# Altium PCB HSADDAModule.PcbDoc (part 2 of 5)
Units mm, origin at the board's own origin, x right, y up, seen from the top; angles counter-clockwise.
Board outline 70 x 95 mm, 6 copper layers (L1 (Sig), L2 (GND), L3 (Sig), L4 (GND), L5 (PWR), L6 (Sig)), stack 1.538 mm thick; 134 components, 217 nets, 999 pads, 792 vias.
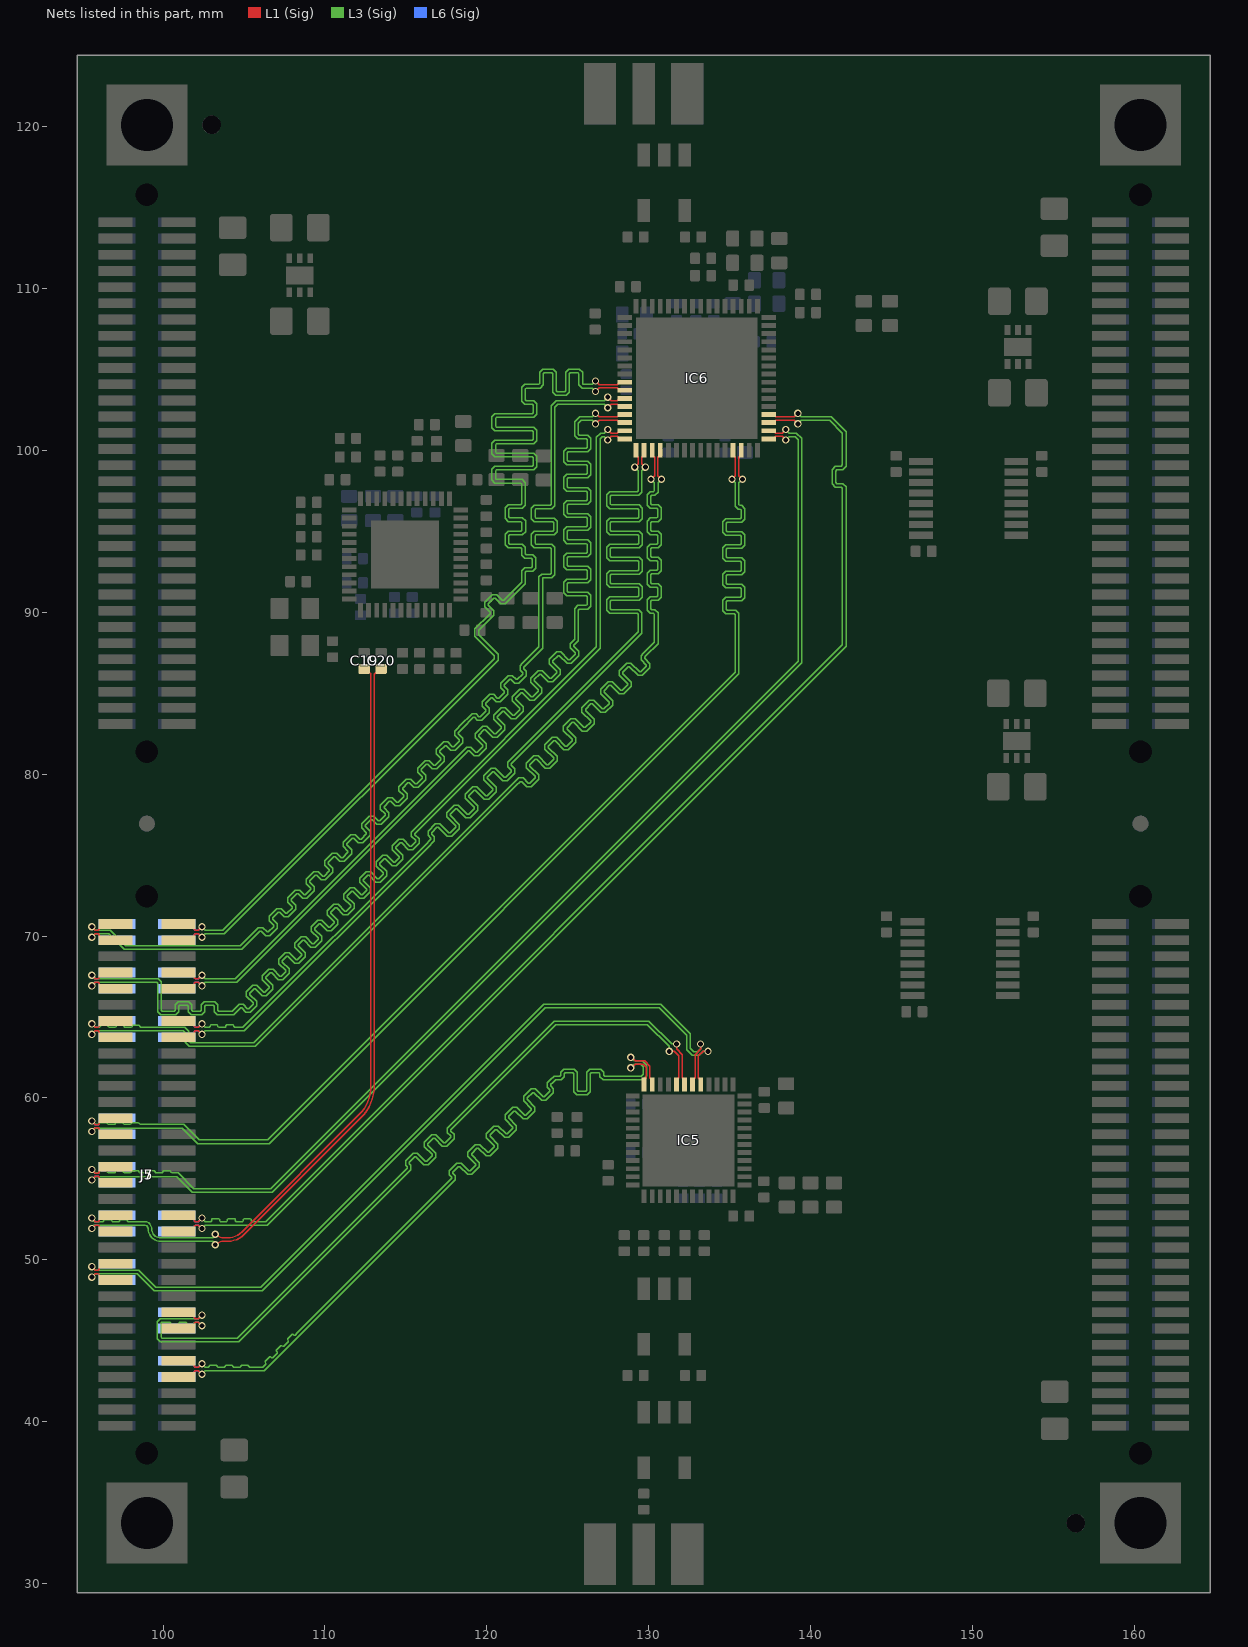
[diagram p6: the nets of this part, all layers, seen from the top]

## Via types
v1: diameter 0.45, hole 0.3, L1 (Sig) to L6 (Sig), tented both sides, 395 vias
v2: diameter 0.5, hole 0.3, L1 (Sig) to L6 (Sig), tented both sides, 219 vias
v3: diameter 0.8, hole 0.4, L1 (Sig) to L6 (Sig), tented both sides, 178 vias

## Nets (pads, with @x,y where several pads share a name; then routed paths per layer and width w, separated by ;. In a path a pad name is that pad's centre, name@x,y a point inside that pad or via, vN(x,y) a via of type N, cw(c..) or ccw(c..) an arc to the next point about the centre after c; other vN are vias at no path point) (continued)
B33_IO_L4_N: IC5.43 J5.51 J7.51 | length 53.8
  L1 (Sig) w0.09: J7.51@100.95,45.75 101.687,45.75 101.942,46.005 101.942,46.092 101.995,46.145 102.18,46.145 v1(102.4,45.925) ; v1(131.735,63.335) 131.735,63.023 132.08,62.678 132.08,61.245 132.225,61.1 IC5.43@132.225,60.825
  L3 (Sig) w0.09: v1(102.4,45.925) 102.395,45.925 102.18,46.14 102.127,46.14 101.994,46.14 101.942,46.087 101.942,46.042 101.893,45.993 101.501,45.993 101.452,46.042 101.452,46.091 101.403,46.14 101.011,46.14 100.962,46.091 100.962,46.042 100.913,45.993 100.521,45.993 100.472,46.042 100.472,46.087 100.419,46.14 99.928,46.14 99.884,46.096 99.875,46.087 99.875,45.203 99.928,45.15 104.589,45.15 115.019,55.581 115.097,55.658 115.097,55.741 114.992,55.847 114.992,56.112 115.454,56.575 115.72,56.575 116.208,56.087 116.291,56.087 116.625,56.421 116.625,56.504 116.137,56.992 116.137,57.258 116.6,57.72 116.866,57.72 117.353,57.233 117.437,57.233 117.77,57.566 117.77,57.65 117.562,57.858 117.562,58.124 117.773,58.334 124.184,64.745 130.02,64.745 131.427,63.338 131.731,63.338 v1(131.735,63.335)
  L6 (Sig) w0.09: J5.51@100.85,45.75 101.687,45.75 101.942,46.005 101.942,46.092 101.995,46.145 102.18,46.145 v1(102.4,45.925)
B33_IO_L4_P: IC5.44 J5.49 J7.49 | length 53.8
  L1 (Sig) w0.09: J7.49@100.95,46.75 101.687,46.75 101.942,46.495 101.942,46.408 101.995,46.355 102.18,46.355 v1(102.4,46.575) ; v1(131.275,62.875) 131.586,62.875 131.87,62.591 131.87,61.245 131.725,61.1 IC5.44@131.725,60.825
  L3 (Sig) w0.09: v1(102.4,46.575) 102.395,46.575 102.18,46.36 99.837,46.36 99.655,46.178 99.655,45.112 99.837,44.93 104.68,44.93 115.175,55.425 115.317,55.567 115.317,55.833 115.212,55.938 115.212,56.021 115.545,56.355 115.629,56.355 116.117,55.867 116.382,55.867 116.845,56.33 116.845,56.595 116.357,57.083 116.357,57.167 116.691,57.5 116.774,57.5 117.262,57.013 117.528,57.013 117.99,57.475 117.99,57.741 117.782,57.949 117.782,58.032 117.929,58.179 124.275,64.525 129.929,64.525 131.272,63.182 131.272,62.878 v1(131.275,62.875)
  L6 (Sig) w0.09: J5.49@100.85,46.75 101.687,46.75 101.942,46.495 101.942,46.408 101.995,46.355 102.18,46.355 v1(102.4,46.575)
B33_IO_L5_N: IC5.47 J5.57 J7.57 | length 53.8
  L1 (Sig) w0.09: J7.57@100.95,42.75 101.687,42.75 101.942,43.005 101.942,43.092 101.995,43.145 102.18,43.145 v1(102.4,42.925) ; v1(128.9,62.505) 128.969,62.505 129.189,62.285 129.762,62.285 130.08,61.967 130.08,61.245 130.225,61.1 IC5.47@130.225,60.825
  L3 (Sig) w0.09: v1(102.4,42.925) 102.405,42.925 102.62,43.14 106.265,43.14 117.912,54.787 118.054,54.929 118.054,55.195 117.915,55.334 117.915,55.418 118.248,55.752 118.332,55.752 118.813,55.27 119.079,55.27 119.541,55.733 119.541,55.999 119.06,56.48 119.06,56.563 119.394,56.897 119.477,56.897 119.958,56.416 120.224,56.416 120.687,56.879 120.687,57.144 120.206,57.625 120.206,57.709 120.539,58.043 120.623,58.043 121.104,57.561 121.37,57.561 121.832,58.024 121.832,58.29 121.351,58.771 121.351,58.854 121.685,59.188 121.768,59.188 122.249,58.707 122.515,58.707 122.978,59.17 122.978,59.435 122.497,59.916 122.497,60 122.83,60.334 122.914,60.334 123.395,59.852 123.661,59.852 124.123,60.315 124.123,60.581 123.956,60.748 123.956,60.831 124.077,60.952 124.255,61.13 124.4,61.13 124.601,61.13 124.788,61.318 124.788,61.483 124.847,61.542 125.319,61.542 125.378,61.483 125.378,60.378 125.566,60.19 126.221,60.19 126.408,60.378 126.408,61.483 126.467,61.542 126.939,61.542 126.998,61.483 126.998,61.318 127.186,61.13 127.663,61.13 129.641,61.13 129.895,61.384 129.895,62.016 129.621,62.29 129.12,62.29 128.905,62.505 v1(128.9,62.505)
  L6 (Sig) w0.09: J5.57@100.85,42.75 101.687,42.75 101.942,43.005 101.942,43.092 101.995,43.145 102.18,43.145 v1(102.4,42.925)
B33_IO_L5_P: IC5.48 J5.55 J7.55 | length 53.7
  L1 (Sig) w0.09: J7.55@100.95,43.75 101.687,43.75 101.942,43.495 101.942,43.408 101.995,43.355 102.18,43.355 v1(102.4,43.575) ; v1(128.9,61.855) 128.969,61.855 129.189,62.075 129.675,62.075 129.87,61.88 129.87,61.245 129.725,61.1 IC5.48@129.725,60.825
  L3 (Sig) w0.09: v1(102.4,43.575) 102.405,43.575 102.62,43.36 102.75,43.36 102.795,43.36 102.848,43.413 102.848,43.432 102.897,43.481 103.289,43.481 103.338,43.432 103.338,43.409 103.387,43.36 103.779,43.36 103.828,43.409 103.828,43.432 103.877,43.481 104.269,43.481 104.318,43.432 104.318,43.409 104.367,43.36 104.759,43.36 104.808,43.409 104.808,43.432 104.857,43.481 105.249,43.481 105.298,43.432 105.298,43.413 105.35,43.36 105.628,43.36 106.174,43.36 106.319,43.506 106.351,43.537 106.351,43.612 106.308,43.655 106.308,43.725 106.585,44.002 106.654,44.002 106.7,43.956 106.77,43.956 107.047,44.233 107.047,44.302 107.001,44.348 107.001,44.418 107.278,44.695 107.347,44.695 107.393,44.649 107.463,44.649 107.74,44.926 107.74,44.995 107.694,45.041 107.694,45.111 107.971,45.388 108.04,45.388 108.084,45.344 108.158,45.344 108.302,45.488 117.757,54.943 117.834,55.02 117.834,55.104 117.695,55.243 117.695,55.509 118.157,55.972 118.423,55.972 118.904,55.49 118.987,55.49 119.321,55.824 119.321,55.908 118.84,56.389 118.84,56.654 119.303,57.117 119.568,57.117 120.049,56.636 120.133,56.636 120.467,56.97 120.467,57.053 119.986,57.534 119.986,57.8 120.448,58.263 120.714,58.263 121.195,57.781 121.278,57.781 121.612,58.115 121.612,58.199 121.131,58.68 121.131,58.945 121.594,59.408 121.859,59.408 122.34,58.927 122.424,58.927 122.758,59.261 122.758,59.344 122.277,59.825 122.277,60.091 122.739,60.554 123.005,60.554 123.486,60.072 123.569,60.072 123.903,60.406 123.903,60.49 123.736,60.657 123.736,60.922 123.921,61.107 124.164,61.35 124.4,61.35 124.509,61.35 124.568,61.409 124.568,61.574 124.756,61.762 125.411,61.762 125.598,61.574 125.598,60.469 125.657,60.41 126.129,60.41 126.188,60.469 126.188,61.574 126.376,61.762 127.031,61.762 127.218,61.574 127.218,61.409 127.277,61.35 127.663,61.35 129.55,61.35 129.675,61.475 129.675,61.925 129.53,62.07 129.12,62.07 128.905,61.855 v1(128.9,61.855)
  L6 (Sig) w0.09: J5.55@100.85,43.75 101.687,43.75 101.942,43.495 101.942,43.408 101.995,43.355 102.18,43.355 v1(102.4,43.575)
B33_IO_L6_N: IC6.36 J5.39 J7.39 | length 77.9
  L1 (Sig) w0.09: J7.39@100.95,51.75 101.687,51.75 101.942,52.005 101.942,52.092 101.995,52.145 102.18,52.145 v1(102.4,51.925) ; IC6.36@137.425,102.225 137.725,102.225 137.87,102.08 138.307,102.08 139.005,102.08 v1(139.225,102.3)
  L3 (Sig) w0.09: v1(102.4,51.925) 102.405,51.925 102.62,52.14 106.44,52.14 142.2,87.9 142.2,97.55 142.2,97.751 141.986,97.965 141.64,97.965 141.555,98.05 141.555,98.731 141.64,98.817 141.986,98.817 142.2,99.031 142.2,99.419 142.2,101.175 141.29,102.085 139.445,102.085 139.23,102.3 v1(139.225,102.3)
  L6 (Sig) w0.09: J5.39@100.85,51.75 101.687,51.75 101.942,52.005 101.942,52.092 101.995,52.145 102.18,52.145 v1(102.4,51.925)
B33_IO_L6_P: IC6.35 J5.37 J7.37 | length 77.9
  L1 (Sig) w0.09: J7.37@100.95,52.75 101.687,52.75 101.942,52.495 101.942,52.408 101.995,52.355 102.18,52.355 v1(102.4,52.575) ; IC6.35@137.425,101.725 137.725,101.725 137.87,101.87 138.22,101.87 139.005,101.87 v1(139.225,101.65)
  L3 (Sig) w0.09: v1(102.4,52.575) 102.405,52.575 102.62,52.36 102.902,52.36 102.947,52.36 103,52.413 103,52.487 103.049,52.536 103.441,52.536 103.49,52.487 103.49,52.409 103.539,52.36 103.931,52.36 103.98,52.409 103.98,52.487 104.029,52.536 104.421,52.536 104.47,52.487 104.47,52.409 104.519,52.36 104.911,52.36 104.96,52.409 104.96,52.487 105.009,52.536 105.401,52.536 105.45,52.487 105.45,52.413 105.503,52.36 105.857,52.36 106.349,52.36 141.98,87.991 141.98,97.55 141.98,97.659 141.895,97.745 141.549,97.745 141.335,97.959 141.335,98.823 141.549,99.037 141.895,99.037 141.98,99.122 141.98,99.419 141.98,101.084 141.199,101.865 139.445,101.865 139.23,101.65 v1(139.225,101.65)
  L6 (Sig) w0.09: J5.37@100.85,52.75 101.687,52.75 101.942,52.495 101.942,52.408 101.995,52.355 102.18,52.355 v1(102.4,52.575)
B34_IO_L3_N: IC6.10 J5.3 J7.3 | length 77.9
  L1 (Sig) w0.09: J7.3@100.95,69.75 101.687,69.75 101.942,70.005 101.942,70.092 101.995,70.145 102.18,70.145 v1(102.4,69.925) ; v1(126.725,103.65) 126.945,103.87 127.643,103.87 128.08,103.87 128.225,103.725 IC6.10@128.525,103.725
  L3 (Sig) w0.09: v1(102.4,69.925) 102.405,69.925 102.62,70.14 103.79,70.14 120.7,87.05 120.7,87.421 119.495,88.626 119.495,88.884 120.306,89.694 120.447,89.836 120.447,90.102 120.099,90.45 120.099,90.534 120.433,90.868 120.516,90.868 120.865,90.519 121.13,90.519 121.668,91.057 122.375,91.764 122.375,92.114 122.375,92.472 122.434,92.531 122.834,92.531 123.022,92.719 123.022,93.373 122.834,93.561 122.434,93.561 122.375,93.62 122.375,93.73 122.375,93.744 122.375,94.029 122.187,94.217 121.43,94.217 121.371,94.276 121.371,94.748 121.43,94.807 122.208,94.807 122.396,94.994 122.396,95.649 122.208,95.837 121.43,95.837 121.371,95.896 121.371,96.368 121.43,96.427 122.187,96.427 122.375,96.614 122.375,97.625 122.375,97.825 122.375,98.026 122.187,98.213 120.602,98.213 120.543,98.272 120.543,98.744 120.602,98.803 122.893,98.803 123.081,98.991 123.081,99.646 122.893,99.833 120.602,99.833 120.543,99.892 120.543,100.364 120.602,100.423 122.893,100.423 123.081,100.611 123.081,101.266 122.893,101.453 120.602,101.453 120.543,101.512 120.543,101.984 120.602,102.043 122.893,102.043 123.081,102.231 123.081,102.886 122.893,103.073 122.434,103.073 122.375,103.132 122.375,103.45 122.375,103.812 122.428,103.865 123.101,103.865 123.302,103.865 123.489,104.053 123.489,104.756 123.548,104.815 124.02,104.815 124.079,104.756 124.079,103.592 124.267,103.404 124.922,103.404 125.109,103.592 125.109,104.756 125.168,104.815 125.64,104.815 125.699,104.756 125.699,104.053 125.887,103.865 126.436,103.865 126.505,103.865 126.72,103.65 v1(126.725,103.65)
  L6 (Sig) w0.09: J5.3@100.85,69.75 101.687,69.75 101.942,70.005 101.942,70.092 101.995,70.145 102.18,70.145 v1(102.4,69.925)
B34_IO_L3_P: IC6.9 J5.1 J7.1 | length 77.9
  L1 (Sig) w0.09: J7.1@100.95,70.75 101.687,70.75 101.942,70.495 101.942,70.408 101.995,70.355 102.18,70.355 v1(102.4,70.575) ; v1(126.725,104.3) 126.945,104.08 127.73,104.08 128.08,104.08 128.225,104.225 IC6.9@128.525,104.225
  L3 (Sig) w0.09: v1(102.4,70.575) 102.405,70.575 102.62,70.36 103.699,70.36 120.48,87.141 120.48,87.33 119.275,88.535 119.275,88.975 120.15,89.85 120.227,89.927 120.227,90.011 119.879,90.359 119.879,90.625 120.342,91.088 120.607,91.088 120.956,90.739 121.039,90.739 121.512,91.212 122.155,91.855 122.155,92.114 122.155,92.563 122.343,92.751 122.743,92.751 122.802,92.81 122.802,93.282 122.743,93.341 122.343,93.341 122.155,93.529 122.155,93.73 122.155,93.744 122.155,93.938 122.096,93.997 121.339,93.997 121.151,94.184 121.151,94.839 121.339,95.027 122.117,95.027 122.176,95.086 122.176,95.558 122.117,95.617 121.339,95.617 121.151,95.804 121.151,96.459 121.339,96.647 122.096,96.647 122.155,96.706 122.155,97.625 122.155,97.825 122.155,97.934 122.096,97.993 120.511,97.993 120.323,98.181 120.323,98.836 120.511,99.023 122.802,99.023 122.861,99.082 122.861,99.554 122.802,99.613 120.511,99.613 120.323,99.801 120.323,100.456 120.511,100.643 122.802,100.643 122.861,100.702 122.861,101.174 122.802,101.233 120.511,101.233 120.323,101.421 120.323,102.076 120.511,102.263 122.802,102.263 122.861,102.322 122.861,102.794 122.802,102.853 122.343,102.853 122.155,103.041 122.155,103.45 122.155,103.903 122.337,104.085 123.101,104.085 123.21,104.085 123.269,104.144 123.269,104.847 123.457,105.035 124.112,105.035 124.299,104.847 124.299,103.683 124.358,103.624 124.83,103.624 124.889,103.683 124.889,104.847 125.077,105.035 125.732,105.035 125.919,104.847 125.919,104.144 125.978,104.085 126.436,104.085 126.505,104.085 126.72,104.3 v1(126.725,104.3)
  L6 (Sig) w0.09: J5.1@100.85,70.75 101.687,70.75 101.942,70.495 101.942,70.408 101.995,70.355 102.18,70.355 v1(102.4,70.575)
B34_IO_L7_N: IC6.20 J5.16 J7.16 | length 77.9
  L1 (Sig) w0.09: v1(95.6,63.925) 95.82,64.145 96.005,64.145 96.058,64.092 96.058,64.005 96.313,63.75 J7.16@97.05,63.75 ; IC6.20@130.725,100.025 130.725,99.725 130.58,99.58 130.58,99.143 130.58,98.445 v1(130.8,98.225)
  L3 (Sig) w0.09: v1(95.6,63.925) 95.605,63.925 95.82,64.14 101.249,64.14 101.375,64.014 101.375,63.425 101.62,63.18 105.705,63.18 121.83,79.305 122.075,79.55 122.159,79.55 122.476,79.233 122.742,79.233 123.204,79.696 123.204,79.961 122.67,80.495 122.67,80.579 123.004,80.913 123.087,80.913 123.622,80.378 123.887,80.378 124.35,80.841 124.35,81.107 123.816,81.641 123.816,81.724 124.15,82.058 124.233,82.058 124.767,81.524 125.033,81.524 125.495,81.987 125.495,82.252 124.961,82.786 124.961,82.87 125.295,83.204 125.378,83.204 125.913,82.669 126.178,82.669 126.641,83.132 126.641,83.398 126.107,83.932 126.107,84.015 126.441,84.349 126.524,84.349 127.058,83.815 127.324,83.815 127.786,84.278 127.786,84.543 127.252,85.077 127.252,85.161 127.586,85.495 127.669,85.495 128.204,84.96 128.469,84.96 128.932,85.423 128.932,85.689 128.398,86.223 128.398,86.306 128.732,86.64 128.815,86.64 129.349,86.106 129.615,86.106 130.077,86.569 130.077,86.834 129.76,87.152 129.76,87.235 129.837,87.312 130.585,88.06 130.585,89.775 130.585,89.976 130.397,90.163 130.198,90.163 130.139,90.222 130.139,90.694 130.198,90.753 130.594,90.753 130.782,90.941 130.782,91.596 130.594,91.783 130.198,91.783 130.139,91.842 130.139,92.314 130.198,92.373 130.594,92.373 130.782,92.561 130.782,93.216 130.594,93.403 130.198,93.403 130.139,93.462 130.139,93.934 130.198,93.993 130.594,93.993 130.782,94.181 130.782,94.836 130.594,95.023 130.198,95.023 130.139,95.082 130.139,95.554 130.198,95.613 130.594,95.613 130.782,95.801 130.782,96.456 130.594,96.643 130.198,96.643 130.139,96.702 130.139,97.174 130.198,97.233 130.397,97.233 130.585,97.421 130.585,97.77 130.585,98.005 130.8,98.22 v1(130.8,98.225)
  L6 (Sig) w0.09: v1(95.6,63.925) 95.605,63.925 95.825,64.145 96.005,64.145 96.058,64.092 96.058,64.005 96.313,63.75 J5.16@97.15,63.75
B34_IO_L7_P: IC6.19 J5.14 J7.14 | length 77.9
  L1 (Sig) w0.09: v1(95.6,64.575) 95.82,64.355 96.005,64.355 96.058,64.408 96.058,64.495 96.313,64.75 J7.14@97.05,64.75 ; v1(130.15,98.225) 130.37,98.445 130.37,99.23 130.37,99.58 130.225,99.725 IC6.19@130.225,100.025
  L3 (Sig) w0.09: v1(95.6,64.575) 95.605,64.575 95.82,64.36 96.025,64.36 96.07,64.36 96.123,64.413 96.123,64.431 96.172,64.48 96.564,64.48 96.613,64.431 96.613,64.409 96.662,64.36 97.054,64.36 97.103,64.409 97.103,64.431 97.152,64.48 97.544,64.48 97.593,64.431 97.593,64.409 97.642,64.36 98.034,64.36 98.083,64.409 98.083,64.431 98.132,64.48 98.524,64.48 98.573,64.431 98.573,64.413 98.625,64.36 99.341,64.36 101.34,64.36 101.595,64.105 101.595,63.516 101.711,63.4 105.614,63.4 121.675,79.461 121.984,79.77 122.25,79.77 122.567,79.453 122.651,79.453 122.984,79.787 122.984,79.87 122.45,80.404 122.45,80.67 122.913,81.133 123.179,81.133 123.713,80.598 123.796,80.598 124.13,80.932 124.13,81.016 123.596,81.55 123.596,81.815 124.058,82.278 124.324,82.278 124.858,81.744 124.942,81.744 125.275,82.078 125.275,82.161 124.741,82.695 124.741,82.961 125.204,83.424 125.47,83.424 126.004,82.889 126.087,82.889 126.421,83.223 126.421,83.307 125.887,83.841 125.887,84.107 126.349,84.569 126.615,84.569 127.149,84.035 127.233,84.035 127.566,84.369 127.566,84.452 127.032,84.986 127.032,85.252 127.495,85.715 127.761,85.715 128.295,85.18 128.378,85.18 128.712,85.514 128.712,85.598 128.178,86.132 128.178,86.398 128.64,86.86 128.906,86.86 129.44,86.326 129.524,86.326 129.857,86.66 129.857,86.743 129.54,87.061 129.54,87.326 129.682,87.468 130.365,88.151 130.365,89.775 130.365,89.884 130.306,89.943 130.107,89.943 129.919,90.131 129.919,90.786 130.107,90.973 130.503,90.973 130.562,91.032 130.562,91.504 130.503,91.563 130.107,91.563 129.919,91.751 129.919,92.406 130.107,92.593 130.503,92.593 130.562,92.652 130.562,93.124 130.503,93.183 130.107,93.183 129.919,93.371 129.919,94.026 130.107,94.213 130.503,94.213 130.562,94.272 130.562,94.744 130.503,94.803 130.107,94.803 129.919,94.991 129.919,95.646 130.107,95.833 130.503,95.833 130.562,95.892 130.562,96.364 130.503,96.423 130.107,96.423 129.919,96.611 129.919,97.266 130.107,97.453 130.306,97.453 130.365,97.512 130.365,97.77 130.365,98.005 130.15,98.22 v1(130.15,98.225)
  L6 (Sig) w0.09: v1(95.6,64.575) 95.605,64.575 95.825,64.355 96.005,64.355 96.058,64.408 96.058,64.495 96.313,64.75 J5.14@97.15,64.75
B34_IO_L8_N: IC6.34 J5.34 J7.34 | length 77.8
  L1 (Sig) w0.09: v1(95.6,54.925) 95.82,55.145 96.005,55.145 96.058,55.092 96.058,55.005 96.313,54.75 J7.34@97.05,54.75 ; IC6.34@137.425,101.225 137.725,101.225 137.87,101.08 138.255,101.08 v1(138.475,101.3)
  L3 (Sig) w0.09: v1(95.6,54.925) 95.605,54.925 95.82,55.14 100.849,55.14 101.809,54.18 106.755,54.18 139.475,86.9 139.475,100.75 139.14,101.085 138.695,101.085 138.48,101.3 v1(138.475,101.3)
  L6 (Sig) w0.09: v1(95.6,54.925) 95.605,54.925 95.825,55.145 96.005,55.145 96.058,55.092 96.058,55.005 96.313,54.75 J5.34@97.15,54.75
B34_IO_L8_P: IC6.33 J5.32 J7.32 | length 77.7
  L1 (Sig) w0.09: v1(95.6,55.575) 95.82,55.355 96.005,55.355 96.058,55.408 96.058,55.495 96.313,55.75 J7.32@97.05,55.75 ; IC6.33@137.425,100.725 137.725,100.725 137.87,100.87 138.255,100.87 v1(138.475,100.65)
  L3 (Sig) w0.09: v1(95.6,55.575) 95.605,55.575 95.82,55.36 95.975,55.36 96.02,55.36 96.073,55.413 96.073,55.435 96.122,55.484 96.514,55.484 96.563,55.435 96.563,55.409 96.612,55.36 97.004,55.36 97.053,55.409 97.053,55.435 97.102,55.484 97.494,55.484 97.543,55.435 97.543,55.409 97.592,55.36 97.984,55.36 98.033,55.409 98.033,55.435 98.082,55.484 98.474,55.484 98.523,55.435 98.523,55.409 98.572,55.36 98.964,55.36 99.013,55.409 99.013,55.435 99.062,55.484 99.454,55.484 99.503,55.435 99.503,55.409 99.552,55.36 99.944,55.36 99.993,55.409 99.993,55.435 100.042,55.484 100.434,55.484 100.483,55.435 100.483,55.413 100.535,55.36 100.63,55.36 100.94,55.36 101.9,54.4 106.664,54.4 139.255,86.991 139.255,100.659 139.049,100.865 138.695,100.865 138.48,100.65 v1(138.475,100.65)
  L6 (Sig) w0.09: v1(95.6,55.575) 95.605,55.575 95.825,55.355 96.005,55.355 96.058,55.408 96.058,55.495 96.313,55.75 J5.32@97.15,55.75
B34_IO_L9_N: IC6.12 J5.4 J7.4 | length 77.8
  L1 (Sig) w0.09: v1(95.6,69.925) 95.82,70.145 96.005,70.145 96.058,70.092 96.058,70.005 96.313,69.75 J7.4@97.05,69.75 ; v1(127.475,102.65) 127.695,102.87 128.08,102.87 128.225,102.725 IC6.12@128.525,102.725
  L3 (Sig) w0.09: v1(95.6,69.925) 95.605,69.925 95.82,70.14 96.649,70.14 97.614,69.175 104.85,69.175 105.33,69.655 105.98,70.305 106.064,70.305 106.335,70.034 106.601,70.034 107.063,70.497 107.063,70.762 106.78,71.046 106.78,71.129 107.114,71.463 107.197,71.463 107.48,71.18 107.746,71.18 108.209,71.642 108.209,71.908 107.925,72.191 107.925,72.274 108.259,72.608 108.343,72.608 108.626,72.325 108.892,72.325 109.354,72.788 109.354,73.053 109.071,73.337 109.071,73.42 109.405,73.754 109.488,73.754 109.771,73.471 110.037,73.471 110.5,73.933 110.5,74.199 110.217,74.482 110.217,74.565 110.55,74.899 110.634,74.899 110.917,74.616 111.183,74.616 111.645,75.079 111.645,75.344 111.362,75.628 111.362,75.711 111.696,76.045 111.779,76.045 112.062,75.762 112.328,75.762 112.791,76.224 112.791,76.49 112.508,76.773 112.508,76.857 112.841,77.19 112.925,77.19 113.208,76.907 113.474,76.907 113.936,77.37 113.936,77.635 113.653,77.919 113.653,78.002 113.987,78.336 114.07,78.336 114.353,78.053 114.619,78.053 115.082,78.515 115.082,78.781 114.799,79.064 114.799,79.148 115.132,79.481 115.216,79.481 115.499,79.198 115.765,79.198 116.227,79.661 116.227,79.926 115.944,80.21 115.944,80.293 116.278,80.627 116.361,80.627 116.644,80.344 116.91,80.344 117.373,80.806 117.373,81.072 117.09,81.355 117.09,81.439 117.423,81.772 117.507,81.772 117.79,81.489 118.056,81.489 118.518,81.952 118.518,82.217 118.247,82.489 118.247,82.572 118.371,82.696 118.503,82.828 119.182,83.507 119.266,83.507 119.428,83.345 119.694,83.345 120.157,83.807 120.157,84.073 119.931,84.298 119.931,84.382 120.265,84.716 120.349,84.716 120.574,84.49 120.84,84.49 121.302,84.953 121.302,85.219 121.077,85.444 121.077,85.527 121.411,85.861 121.494,85.861 121.719,85.636 121.985,85.636 122.448,86.098 122.448,86.364 122.285,86.527 122.285,86.61 122.363,86.687 123.45,87.775 123.45,92.097 123.503,92.15 124.018,92.15 124.2,92.332 124.2,93.816 124.2,94.016 124.012,94.204 123.042,94.204 122.983,94.263 122.983,94.735 123.042,94.794 124.175,94.794 124.363,94.982 124.363,95.636 124.175,95.824 123.042,95.824 122.983,95.883 122.983,96.355 123.042,96.414 124.012,96.414 124.2,96.602 124.2,97.343 124.2,102.689 124.376,102.865 127.255,102.865 127.47,102.65 v1(127.475,102.65)
  L6 (Sig) w0.09: v1(95.6,69.925) 95.605,69.925 95.825,70.145 96.005,70.145 96.058,70.092 96.058,70.005 96.313,69.75 J5.4@97.15,69.75
B34_IO_L9_P: IC6.11 J5.2 J7.2 | length 77.8
  L1 (Sig) w0.09: v1(95.6,70.575) 95.82,70.355 96.005,70.355 96.058,70.408 96.058,70.495 96.313,70.75 J7.2@97.05,70.75 ; v1(127.475,103.3) 127.695,103.08 128.08,103.08 128.225,103.225 IC6.11@128.525,103.225
  L3 (Sig) w0.09: v1(95.6,70.575) 95.605,70.575 95.82,70.36 96.74,70.36 97.705,69.395 104.759,69.395 105.175,69.811 105.889,70.525 106.155,70.525 106.426,70.254 106.509,70.254 106.843,70.588 106.843,70.671 106.56,70.954 106.56,71.22 107.023,71.683 107.288,71.683 107.571,71.4 107.655,71.4 107.989,71.733 107.989,71.817 107.705,72.1 107.705,72.366 108.168,72.828 108.434,72.828 108.717,72.545 108.8,72.545 109.134,72.879 109.134,72.962 108.851,73.245 108.851,73.511 109.314,73.974 109.579,73.974 109.862,73.691 109.946,73.691 110.28,74.024 110.28,74.108 109.997,74.391 109.997,74.657 110.459,75.119 110.725,75.119 111.008,74.836 111.091,74.836 111.425,75.17 111.425,75.253 111.142,75.536 111.142,75.802 111.605,76.265 111.87,76.265 112.154,75.982 112.237,75.982 112.571,76.315 112.571,76.399 112.288,76.682 112.288,76.948 112.75,77.41 113.016,77.41 113.299,77.127 113.382,77.127 113.716,77.461 113.716,77.544 113.433,77.827 113.433,78.093 113.896,78.556 114.161,78.556 114.445,78.273 114.528,78.273 114.862,78.606 114.862,78.69 114.579,78.973 114.579,79.239 115.041,79.701 115.307,79.701 115.59,79.418 115.673,79.418 116.007,79.752 116.007,79.835 115.724,80.118 115.724,80.384 116.187,80.847 116.452,80.847 116.736,80.564 116.819,80.564 117.153,80.897 117.153,80.981 116.87,81.264 116.87,81.53 117.332,81.992 117.598,81.992 117.881,81.709 117.964,81.709 118.298,82.043 118.298,82.126 118.027,82.397 118.027,82.663 118.216,82.852 118.348,82.984 119.091,83.727 119.357,83.727 119.519,83.565 119.603,83.565 119.937,83.898 119.937,83.982 119.711,84.207 119.711,84.473 120.174,84.936 120.44,84.936 120.665,84.71 120.748,84.71 121.082,85.044 121.082,85.127 120.857,85.353 120.857,85.618 121.319,86.081 121.585,86.081 121.811,85.856 121.894,85.856 122.228,86.19 122.228,86.273 122.065,86.436 122.065,86.701 122.207,86.843 123.23,87.866 123.23,92.188 123.412,92.37 123.927,92.37 123.98,92.423 123.98,93.816 123.98,93.925 123.921,93.984 122.951,93.984 122.763,94.172 122.763,94.826 122.951,95.014 124.084,95.014 124.143,95.073 124.143,95.545 124.084,95.604 122.951,95.604 122.763,95.792 122.763,96.446 122.951,96.634 123.921,96.634 123.98,96.693 123.98,97.343 123.98,102.78 124.285,103.085 127.255,103.085 127.47,103.3 v1(127.475,103.3)
  L6 (Sig) w0.09: v1(95.6,70.575) 95.605,70.575 95.825,70.355 96.005,70.355 96.058,70.408 96.058,70.495 96.313,70.75 J5.2@97.15,70.75
B34_IO_L10_N: IC6.16 J5.10 J7.10 | length 77.8
  L1 (Sig) w0.09: v1(95.6,66.925) 95.82,67.145 96.005,67.145 96.058,67.092 96.058,67.005 96.313,66.75 J7.10@97.05,66.75 ; v1(127.475,100.65) 127.695,100.87 128.08,100.87 128.225,100.725 IC6.16@128.525,100.725
  L3 (Sig) w0.09: v1(95.6,66.925) 95.605,66.925 95.82,67.14 99.622,67.14 99.675,67.087 99.675,65.312 99.857,65.13 100.575,65.13 100.776,65.13 100.963,65.318 100.963,65.652 101.022,65.711 101.494,65.711 101.553,65.652 101.553,65.317 101.741,65.129 102.396,65.129 102.583,65.317 102.583,65.652 102.642,65.711 103.114,65.711 103.173,65.652 103.173,65.318 103.361,65.13 104.026,65.13 104.355,65.13 104.388,65.163 104.787,65.562 104.862,65.562 105.123,65.301 105.374,65.301 105.78,65.707 105.78,65.958 105.353,66.386 105.353,66.455 105.631,66.732 105.7,66.732 106.127,66.305 106.379,66.305 106.785,66.711 106.785,66.963 106.357,67.39 106.357,67.459 106.635,67.736 106.704,67.736 107.131,67.309 107.383,67.309 107.789,67.715 107.789,67.967 107.362,68.394 107.362,68.463 107.639,68.74 107.708,68.74 108.135,68.313 108.387,68.313 108.793,68.719 108.793,68.971 108.366,69.398 108.366,69.467 108.643,69.744 108.712,69.744 109.139,69.317 109.391,69.317 109.797,69.723 109.797,69.975 109.37,70.402 109.37,70.471 109.647,70.748 109.716,70.748 110.143,70.321 110.395,70.321 110.801,70.727 110.801,70.979 110.374,71.406 110.374,71.475 110.651,71.753 110.72,71.753 111.147,71.325 111.399,71.325 111.805,71.731 111.805,71.983 111.378,72.41 111.378,72.479 111.655,72.757 111.724,72.757 112.151,72.329 112.403,72.329 112.809,72.736 112.809,72.987 112.382,73.414 112.382,73.483 112.659,73.761 112.728,73.761 113.156,73.334 113.407,73.334 113.813,73.74 113.813,73.991 113.386,74.418 113.386,74.488 113.663,74.765 113.733,74.765 114.16,74.338 114.411,74.338 114.817,74.744 114.817,74.995 114.39,75.422 114.39,75.492 114.667,75.769 114.737,75.769 115.164,75.342 115.415,75.342 115.821,75.748 115.821,75.999 115.56,76.261 115.56,76.335 115.638,76.413 127,87.775 127,100.736 127.129,100.865 127.255,100.865 127.47,100.65 v1(127.475,100.65)
  L6 (Sig) w0.09: v1(95.6,66.925) 95.605,66.925 95.825,67.145 96.005,67.145 96.058,67.092 96.058,67.005 96.313,66.75 J5.10@97.15,66.75
B34_IO_L10_P: IC6.15 J5.8 J7.8 | length 77.8
  L1 (Sig) w0.09: v1(95.6,67.575) 95.82,67.355 96.005,67.355 96.058,67.408 96.058,67.495 96.313,67.75 J7.8@97.05,67.75 ; v1(127.475,101.3) 127.695,101.08 128.08,101.08 128.225,101.225 IC6.15@128.525,101.225
  L3 (Sig) w0.09: v1(95.6,67.575) 95.605,67.575 95.82,67.36 99.713,67.36 99.895,67.178 99.895,65.403 99.948,65.35 100.575,65.35 100.684,65.35 100.743,65.409 100.743,65.743 100.931,65.931 101.586,65.931 101.773,65.743 101.773,65.408 101.832,65.349 102.304,65.349 102.363,65.408 102.363,65.743 102.551,65.931 103.206,65.931 103.393,65.743 103.393,65.409 103.452,65.35 104.026,65.35 104.201,65.35 104.264,65.35 104.696,65.782 104.953,65.782 105.214,65.521 105.283,65.521 105.56,65.798 105.56,65.867 105.133,66.294 105.133,66.546 105.539,66.952 105.791,66.952 106.218,66.525 106.287,66.525 106.565,66.802 106.565,66.871 106.137,67.299 106.137,67.55 106.543,67.956 106.795,67.956 107.222,67.529 107.291,67.529 107.569,67.806 107.569,67.876 107.142,68.303 107.142,68.554 107.548,68.96 107.799,68.96 108.226,68.533 108.296,68.533 108.573,68.81 108.573,68.88 108.146,69.307 108.146,69.558 108.552,69.964 108.803,69.964 109.23,69.537 109.3,69.537 109.577,69.814 109.577,69.884 109.15,70.311 109.15,70.562 109.556,70.968 109.807,70.968 110.234,70.541 110.304,70.541 110.581,70.818 110.581,70.888 110.154,71.315 110.154,71.566 110.56,71.973 110.811,71.973 111.239,71.545 111.308,71.545 111.585,71.823 111.585,71.892 111.158,72.319 111.158,72.571 111.564,72.977 111.815,72.977 112.243,72.549 112.312,72.549 112.589,72.827 112.589,72.896 112.162,73.323 112.162,73.575 112.568,73.981 112.82,73.981 113.247,73.554 113.316,73.554 113.593,73.831 113.593,73.9 113.166,74.327 113.166,74.579 113.572,74.985 113.824,74.985 114.251,74.558 114.32,74.558 114.597,74.835 114.597,74.904 114.17,75.331 114.17,75.583 114.576,75.989 114.828,75.989 115.255,75.562 115.324,75.562 115.601,75.839 115.601,75.908 115.34,76.169 115.34,76.426 115.482,76.568 126.78,87.866 126.78,100.828 127.037,101.085 127.255,101.085 127.47,101.3 v1(127.475,101.3)
  L6 (Sig) w0.09: v1(95.6,67.575) 95.605,67.575 95.825,67.355 96.005,67.355 96.058,67.408 96.058,67.495 96.313,67.75 J5.8@97.15,67.75
B34_IO_L12_N: IC6.14 J5.9 J7.9 | length 77.9
  L1 (Sig) w0.09: J7.9@100.95,66.75 101.687,66.75 101.942,67.005 101.942,67.092 101.995,67.145 102.18,67.145 v1(102.4,66.925) ; v1(126.725,101.65) 126.945,101.87 127.643,101.87 128.08,101.87 128.225,101.725 IC6.14@128.525,101.725
  L3 (Sig) w0.09: v1(102.4,66.925) 102.405,66.925 102.62,67.14 104.54,67.14 117.709,80.309 118.846,81.446 118.929,81.446 119.233,81.142 119.499,81.142 119.962,81.604 119.962,81.87 119.497,82.335 119.497,82.418 119.831,82.752 119.914,82.752 120.379,82.287 120.644,82.287 121.107,82.75 121.107,83.016 120.642,83.48 120.642,83.564 120.976,83.897 121.06,83.897 121.524,83.433 121.79,83.433 122.253,83.895 122.253,84.161 121.788,84.626 121.788,84.709 122.122,85.043 122.205,85.043 122.67,84.578 122.935,84.578 123.398,85.041 123.398,85.307 122.934,85.771 122.934,85.855 123.267,86.188 123.351,86.188 123.815,85.724 124.081,85.724 124.544,86.186 124.544,86.452 124.079,86.917 124.079,87 124.413,87.334 124.496,87.334 124.961,86.869 125.226,86.869 125.689,87.332 125.689,87.598 125.385,87.902 125.385,87.985 125.462,88.063 125.65,88.25 125.65,89.7 125.65,90.148 125.709,90.207 126.24,90.207 126.428,90.394 126.428,91.049 126.24,91.237 125.034,91.237 124.975,91.296 124.975,91.768 125.034,91.827 126.24,91.827 126.428,92.014 126.428,92.669 126.24,92.857 125.034,92.857 124.975,92.916 124.975,93.388 125.034,93.447 126.24,93.447 126.428,93.634 126.428,94.289 126.24,94.477 125.034,94.477 124.975,94.536 124.975,95.008 125.034,95.067 126.24,95.067 126.428,95.254 126.428,95.909 126.24,96.097 125.034,96.097 124.975,96.156 124.975,96.628 125.034,96.687 126.24,96.687 126.428,96.874 126.428,97.529 126.24,97.717 125.034,97.717 124.975,97.776 124.975,98.248 125.034,98.307 126.24,98.307 126.428,98.494 126.428,99.149 126.24,99.337 125.034,99.337 124.975,99.396 124.975,99.868 125.034,99.927 126.24,99.927 126.428,100.114 126.428,100.769 126.24,100.957 125.709,100.957 125.65,101.016 125.65,101.125 125.65,101.689 125.826,101.865 126.505,101.865 126.72,101.65 v1(126.725,101.65)
  L6 (Sig) w0.09: J5.9@100.85,66.75 101.687,66.75 101.942,67.005 101.942,67.092 101.995,67.145 102.18,67.145 v1(102.4,66.925)
B34_IO_L12_P: IC6.13 J5.7 J7.7 | length 77.9
  L1 (Sig) w0.09: J7.7@100.95,67.75 101.687,67.75 101.942,67.495 101.942,67.408 101.995,67.355 102.18,67.355 v1(102.4,67.575) ; v1(126.725,102.3) 126.945,102.08 127.73,102.08 128.08,102.08 128.225,102.225 IC6.13@128.525,102.225
  L3 (Sig) w0.09: v1(102.4,67.575) 102.405,67.575 102.62,67.36 104.449,67.36 117.553,80.464 118.755,81.666 119.02,81.666 119.324,81.362 119.408,81.362 119.742,81.696 119.742,81.779 119.277,82.244 119.277,82.509 119.74,82.972 120.005,82.972 120.47,82.507 120.553,82.507 120.887,82.841 120.887,82.925 120.422,83.389 120.422,83.655 120.885,84.117 121.151,84.117 121.615,83.653 121.699,83.653 122.033,83.987 122.033,84.07 121.568,84.535 121.568,84.8 122.031,85.263 122.296,85.263 122.761,84.798 122.844,84.798 123.178,85.132 123.178,85.216 122.714,85.68 122.714,85.946 123.176,86.408 123.442,86.408 123.906,85.944 123.99,85.944 124.324,86.278 124.324,86.361 123.859,86.826 123.859,87.091 124.322,87.554 124.587,87.554 125.052,87.089 125.135,87.089 125.469,87.423 125.469,87.507 125.165,87.811 125.165,88.076 125.307,88.218 125.43,88.341 125.43,89.7 125.43,90.239 125.618,90.427 126.149,90.427 126.208,90.486 126.208,90.958 126.149,91.017 124.943,91.017 124.755,91.204 124.755,91.859 124.943,92.047 126.149,92.047 126.208,92.106 126.208,92.578 126.149,92.637 124.943,92.637 124.755,92.824 124.755,93.479 124.943,93.667 126.149,93.667 126.208,93.726 126.208,94.198 126.149,94.257 124.943,94.257 124.755,94.444 124.755,95.099 124.943,95.287 126.149,95.287 126.208,95.346 126.208,95.818 126.149,95.877 124.943,95.877 124.755,96.064 124.755,96.719 124.943,96.907 126.149,96.907 126.208,96.966 126.208,97.438 126.149,97.497 124.943,97.497 124.755,97.684 124.755,98.339 124.943,98.527 126.149,98.527 126.208,98.586 126.208,99.058 126.149,99.117 124.943,99.117 124.755,99.304 124.755,99.959 124.943,100.147 126.149,100.147 126.208,100.206 126.208,100.678 126.149,100.737 125.618,100.737 125.43,100.924 125.43,101.125 125.43,101.78 125.735,102.085 126.505,102.085 126.72,102.3 v1(126.725,102.3)
  L6 (Sig) w0.09: J5.7@100.85,67.75 101.687,67.75 101.942,67.495 101.942,67.408 101.995,67.355 102.18,67.355 v1(102.4,67.575)
B34_IO_L13_N: C20.1 J5.40 J7.40 | length 52.4
  L1 (Sig) w0.09: v1(95.6,51.925) 95.82,52.145 96.005,52.145 96.058,52.092 96.058,52.005 96.313,51.75 J7.40@97.05,51.75 ; v1(103.225,50.925) cw(c103.756,50.394) 103.756,51.145 104.018,51.145 ccw(c104.018,52.53) 104.997,51.55 112.252,58.805 ccw(c110.314,60.743) 113.055,60.743 113.055,86.151 cw(c113.168,86.151) 113.088,86.231 cw(c113.168,86.151) 113.168,86.264 113.18,86.264 ccw(c113.18,86.405) 113.28,86.305 C20.1@113.475,86.5
  L3 (Sig) w0.09: v1(95.6,51.925) cw(c95.815,51.925) 95.815,52.14 98.84,52.14 cw(c98.84,51.9) 99.08,51.9 ccw(c99.84,51.9) 99.84,51.14 103.01,51.14 cw(c103.01,50.925) v1(103.225,50.925)
  L6 (Sig) w0.09: v1(95.6,51.925) 95.605,51.925 95.825,52.145 96.005,52.145 96.058,52.092 96.058,52.005 96.313,51.75 J5.40@97.15,51.75
B34_IO_L13_P: C19.1 J5.38 J7.38 | length 52.3
  L1 (Sig) w0.09: v1(95.6,52.575) 95.82,52.355 96.005,52.355 96.058,52.408 96.058,52.495 96.313,52.75 J7.38@97.05,52.75 ; v1(103.225,51.575) ccw(c103.756,52.106) 103.756,51.355 103.975,51.355 ccw(c103.975,52.635) 104.88,51.73 112.101,58.951 ccw(c110.305,60.747) 112.845,60.747 112.845,86.151 ccw(c112.732,86.151) 112.812,86.231 ccw(c112.732,86.151) 112.732,86.264 112.72,86.264 cw(c112.72,86.405) 112.62,86.305 C19.1@112.425,86.5
  L3 (Sig) w0.09: v1(95.6,52.575) ccw(c95.815,52.575) 95.815,52.36 96.235,52.36 96.28,52.36 96.333,52.413 96.333,52.435 96.382,52.484 96.774,52.484 96.823,52.435 96.823,52.409 96.872,52.36 97.264,52.36 97.313,52.409 97.313,52.435 97.362,52.484 97.754,52.484 97.803,52.435 97.803,52.413 97.855,52.36 97.968,52.36 98.84,52.36 cw(c98.84,51.9) 99.3,51.9 ccw(c99.84,51.9) 99.84,51.36 103.01,51.36 ccw(c103.01,51.575) v1(103.225,51.575)
  L6 (Sig) w0.09: v1(95.6,52.575) 95.605,52.575 95.825,52.355 96.005,52.355 96.058,52.408 96.058,52.495 96.313,52.75 J5.38@97.15,52.75
B34_IO_L14_N: IC5.41 J5.46 J7.46 | length 53.8
  L1 (Sig) w0.09: v1(95.6,48.925) 95.82,49.145 96.005,49.145 96.058,49.092 96.058,49.005 96.313,48.75 J7.46@97.05,48.75 ; IC5.41@133.225,60.825 133.225,61.1 133.08,61.245 133.08,62.591 133.364,62.875 v1(133.675,62.875)
  L3 (Sig) w0.09: v1(95.6,48.925) 95.605,48.925 95.82,49.14 98.41,49.14 99.47,48.08 106.13,48.08 123.625,65.575 130.65,65.575 132.355,63.87 132.355,62.984 132.7,62.639 133.135,62.639 133.278,62.782 133.368,62.872 133.672,62.872 v1(133.675,62.875)
  L6 (Sig) w0.09: v1(95.6,48.925) 95.605,48.925 95.825,49.145 96.005,49.145 96.058,49.092 96.058,49.005 96.313,48.75 J5.46@97.15,48.75
B34_IO_L14_P: IC5.42 J5.44 J7.44 | length 53.8
  L1 (Sig) w0.09: v1(95.6,49.575) 95.82,49.355 96.005,49.355 96.058,49.408 96.058,49.495 96.313,49.75 J7.44@97.05,49.75 ; IC5.42@132.725,60.825 132.725,61.1 132.87,61.245 132.87,62.678 133.215,63.023 v1(133.215,63.335)
  L3 (Sig) w0.09: v1(95.6,49.575) 95.605,49.575 95.82,49.36 98.501,49.36 99.561,48.3 106.039,48.3 123.534,65.795 130.741,65.795 132.575,63.961 132.575,63.075 132.791,62.859 133.044,62.859 133.058,62.873 133.212,63.027 133.212,63.331 v1(133.215,63.335)
  L6 (Sig) w0.09: v1(95.6,49.575) 95.605,49.575 95.825,49.355 96.005,49.355 96.058,49.408 96.058,49.495 96.313,49.75 J5.44@97.15,49.75
B34_IO_L15_N: IC6.18 J5.15 J7.15 | length 77.8
  L1 (Sig) w0.09: J7.15@100.95,63.75 101.687,63.75 101.942,64.005 101.942,64.092 101.995,64.145 102.18,64.145 v1(102.4,63.925) ; IC6.18@129.725,100.025 129.725,99.725 129.58,99.58 129.58,99.195 v1(129.8,98.975)
  L3 (Sig) w0.09: v1(102.4,63.925) 102.405,63.925 102.62,64.14 105.015,64.14 116.346,75.471 116.754,75.879 116.754,76.144 116.592,76.306 116.592,76.389 116.925,76.723 117.009,76.723 117.568,76.165 117.833,76.165 118.296,76.627 118.296,76.893 117.737,77.452 117.737,77.535 118.071,77.869 118.154,77.869 118.713,77.31 118.979,77.31 119.441,77.773 119.441,78.038 118.883,78.597 118.883,78.681 119.216,79.014 119.3,79.014 119.859,78.456 120.124,78.456 120.587,78.918 120.587,79.184 120.028,79.743 120.028,79.826 120.362,80.16 120.445,80.16 121.004,79.601 121.27,79.601 121.732,80.064 121.732,80.329 121.51,80.552 121.51,80.635 121.588,80.713 129.585,88.71 129.585,89.59 129.585,89.969 129.397,90.157 127.704,90.157 127.645,90.216 127.645,90.688 127.704,90.747 129.423,90.747 129.61,90.934 129.61,91.589 129.423,91.777 127.704,91.777 127.645,91.836 127.645,92.308 127.704,92.367 129.423,92.367 129.61,92.554 129.61,93.209 129.423,93.397 127.704,93.397 127.645,93.456 127.645,93.928 127.704,93.987 129.423,93.987 129.61,94.174 129.61,94.829 129.423,95.017 127.704,95.017 127.645,95.076 127.645,95.548 127.704,95.607 129.423,95.607 129.61,95.794 129.61,96.449 129.423,96.637 127.704,96.637 127.645,96.696 127.645,97.168 127.704,97.227 129.397,97.227 129.585,97.414 129.585,98.425 129.585,98.755 129.8,98.97 v1(129.8,98.975)
  L6 (Sig) w0.09: J5.15@100.85,63.75 101.687,63.75 101.942,64.005 101.942,64.092 101.995,64.145 102.18,64.145 v1(102.4,63.925)
B34_IO_L15_P: IC6.17 J5.13 J7.13 | length 77.8
  L1 (Sig) w0.09: J7.13@100.95,64.75 101.687,64.75 101.942,64.495 101.942,64.408 101.995,64.355 102.18,64.355 v1(102.4,64.575) ; v1(129.15,98.975) 129.37,99.195 129.37,99.58 129.225,99.725 IC6.17@129.225,100.025
  L3 (Sig) w0.09: v1(102.4,64.575) 102.405,64.575 102.62,64.36 102.805,64.36 102.85,64.36 102.902,64.413 102.902,64.456 102.951,64.505 103.343,64.505 103.392,64.456 103.392,64.409 103.441,64.36 103.833,64.36 103.882,64.409 103.882,64.456 103.931,64.505 104.323,64.505 104.372,64.456 104.372,64.413 104.425,64.36 104.725,64.36 104.924,64.36 116.19,75.626 116.534,75.97 116.534,76.053 116.372,76.215 116.372,76.481 116.834,76.943 117.1,76.943 117.659,76.385 117.742,76.385 118.076,76.718 118.076,76.802 117.517,77.36 117.517,77.626 117.98,78.089 118.245,78.089 118.804,77.53 118.888,77.53 119.221,77.864 119.221,77.947 118.663,78.506 118.663,78.772 119.125,79.234 119.391,79.234 119.95,78.676 120.033,78.676 120.367,79.009 120.367,79.093 119.808,79.651 119.808,79.917 120.271,80.38 120.537,80.38 121.095,79.821 121.179,79.821 121.512,80.155 121.512,80.238 121.29,80.461 121.29,80.726 121.432,80.868 129.365,88.801 129.365,89.59 129.365,89.878 129.306,89.937 127.612,89.937 127.425,90.124 127.425,90.779 127.612,90.967 129.331,90.967 129.39,91.026 129.39,91.498 129.331,91.557 127.612,91.557 127.425,91.744 127.425,92.399 127.612,92.587 129.331,92.587 129.39,92.646 129.39,93.118 129.331,93.177 127.612,93.177 127.425,93.364 127.425,94.019 127.612,94.207 129.331,94.207 129.39,94.266 129.39,94.738 129.331,94.797 127.612,94.797 127.425,94.984 127.425,95.639 127.612,95.827 129.331,95.827 129.39,95.886 129.39,96.358 129.331,96.417 127.612,96.417 127.425,96.604 127.425,97.259 127.612,97.447 129.306,97.447 129.365,97.506 129.365,98.425 129.365,98.755 129.15,98.97 v1(129.15,98.975)
  L6 (Sig) w0.09: J5.13@100.85,64.75 101.687,64.75 101.942,64.495 101.942,64.408 101.995,64.355 102.18,64.355 v1(102.4,64.575)
B34_IO_L16_N: IC6.30 J5.28 J7.28 | length 77.9
  L1 (Sig) w0.09: v1(95.6,57.925) 95.82,58.145 96.005,58.145 96.058,58.092 96.058,58.005 96.313,57.75 J7.28@97.05,57.75 ; IC6.30@135.725,100.025 135.725,99.725 135.58,99.58 135.58,99.143 135.58,98.445 v1(135.8,98.225)
  L3 (Sig) w0.09: v1(95.6,57.925) 95.605,57.925 95.82,58.14 101.199,58.14 102.159,57.18 106.555,57.18 135.585,86.21 135.585,89.609 135.585,89.939 135.397,90.127 134.869,90.127 134.81,90.186 134.81,90.658 134.869,90.717 135.753,90.717 135.941,90.904 135.941,91.559 135.753,91.747 134.869,91.747 134.81,91.806 134.81,92.278 134.869,92.337 135.753,92.337 135.941,92.524 135.941,93.179 135.753,93.367 134.869,93.367 134.81,93.426 134.81,93.898 134.869,93.957 135.753,93.957 135.941,94.144 135.941,94.799 135.753,94.987 134.869,94.987 134.81,95.046 134.81,95.518 134.869,95.577 135.753,95.577 135.941,95.764 135.941,96.419 135.753,96.607 135.644,96.607 135.585,96.666 135.585,96.775 135.585,98.005 135.8,98.22 v1(135.8,98.225)
  L6 (Sig) w0.09: v1(95.6,57.925) 95.605,57.925 95.825,58.145 96.005,58.145 96.058,58.092 96.058,58.005 96.313,57.75 J5.28@97.15,57.75
B34_IO_L16_P: IC6.29 J5.26 J7.26 | length 77.9
  L1 (Sig) w0.09: v1(95.6,58.575) 95.82,58.355 96.005,58.355 96.058,58.408 96.058,58.495 96.313,58.75 J7.26@97.05,58.75 ; v1(135.15,98.225) 135.37,98.445 135.37,99.23 135.37,99.58 135.225,99.725 IC6.29@135.225,100.025
  L3 (Sig) w0.09: v1(95.6,58.575) 95.605,58.575 95.82,58.36 95.975,58.36 96.02,58.36 96.073,58.413 96.073,58.425 96.122,58.474 96.514,58.474 96.563,58.425 96.563,58.409 96.612,58.36 97.004,58.36 97.053,58.409 97.053,58.425 97.102,58.474 97.494,58.474 97.543,58.425 97.543,58.409 97.592,58.36 97.984,58.36 98.033,58.409 98.033,58.425 98.082,58.474 98.474,58.474 98.523,58.425 98.523,58.413 98.575,58.36 99.562,58.36 101.29,58.36 102.25,57.4 106.464,57.4 135.365,86.301 135.365,89.609 135.365,89.848 135.306,89.907 134.778,89.907 134.59,90.094 134.59,90.749 134.778,90.937 135.662,90.937 135.721,90.996 135.721,91.468 135.662,91.527 134.778,91.527 134.59,91.714 134.59,92.369 134.778,92.557 135.662,92.557 135.721,92.616 135.721,93.088 135.662,93.147 134.778,93.147 134.59,93.334 134.59,93.989 134.778,94.177 135.662,94.177 135.721,94.236 135.721,94.708 135.662,94.767 134.778,94.767 134.59,94.954 134.59,95.609 134.778,95.797 135.662,95.797 135.721,95.856 135.721,96.328 135.662,96.387 135.553,96.387 135.365,96.574 135.365,96.775 135.365,98.005 135.15,98.22 v1(135.15,98.225)
  L6 (Sig) w0.09: v1(95.6,58.575) 95.605,58.575 95.825,58.355 96.005,58.355 96.058,58.408 96.058,58.495 96.313,58.75 J5.26@97.15,58.75